# Altium PCB OMD_60V_REF_2.PcbDoc (part 1 of 6) (continued)
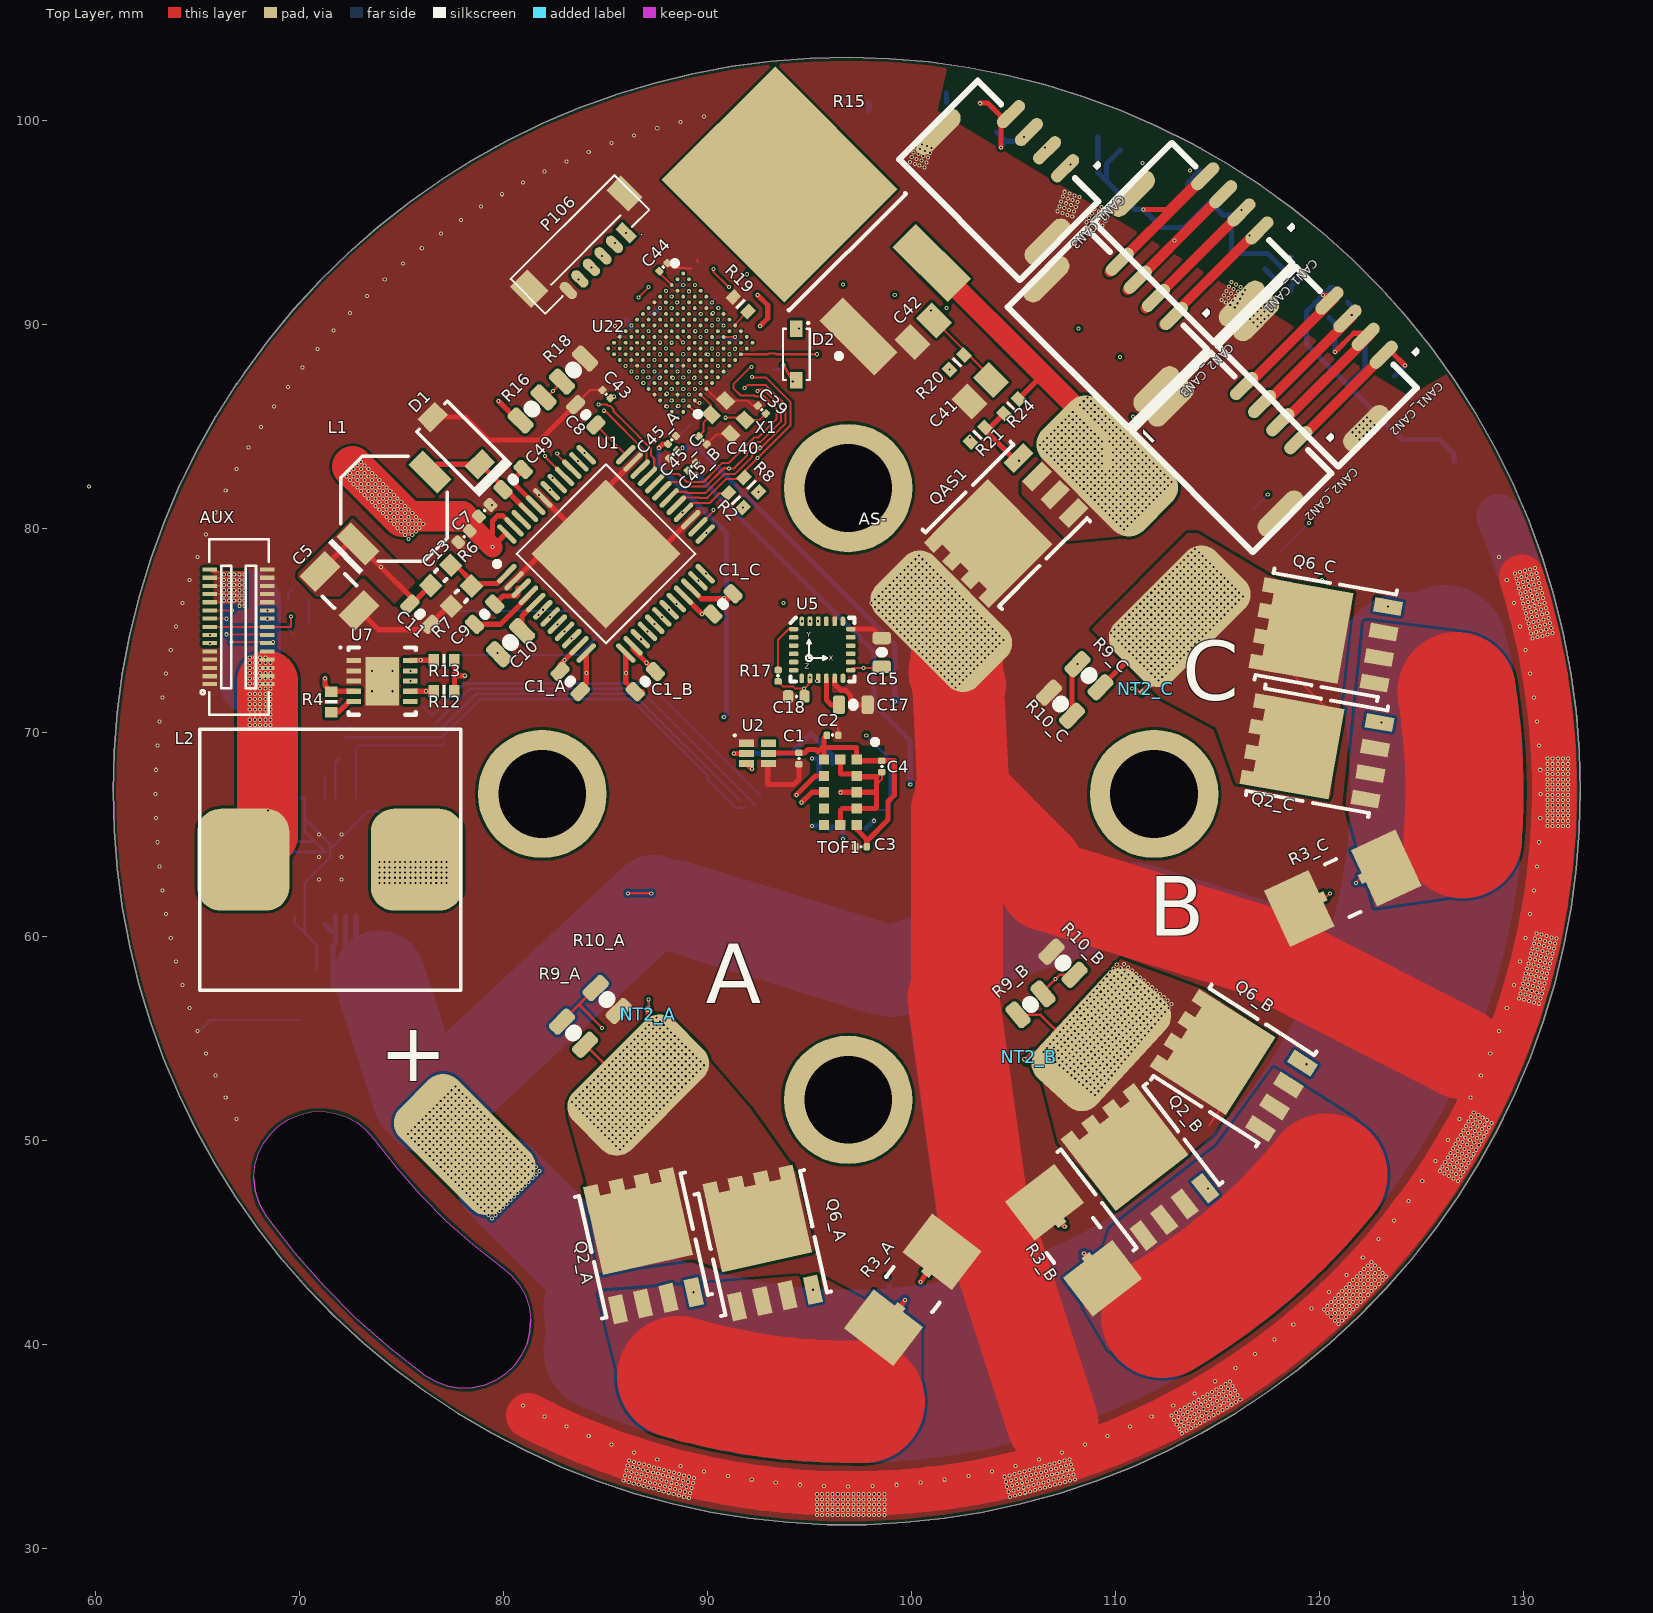
[diagram p0: Top Layer view]
## Design rules (kind name [scope] priority, off if disabled: settings)
Clearance Clearance_1 [InNamedPolygon('VDD_3V3_L01_P002')or InNamedPolygon('GND_L01_P000')] p1: gap=0.08 ignorepadtopadclearanceinfootprint=FALSE
Clearance Clearance_F7 [InComponent('F7')] p2: gap=0.1 ignorepadtopadclearanceinfootprint=TRUE
Clearance [All] p3: gap=0.127 ignorepadtopadclearanceinfootprint=FALSE
ComponentClearance ComponentClearance_connector_3.5 [HasFootprint('OSCILLATOR-1.6x1.2')] p1: gap=-5 collisioncheckmode=3 verticalgap=-5 showdistances=FALSE
ComponentClearance ComponentClearance_JST_GH_V4 [HasFootprint('JST_GH_V4')] p2: gap=-5 collisioncheckmode=3 verticalgap=-5 showdistances=FALSE
ComponentClearance [All] p3: gap=0.127 collisioncheckmode=3 verticalgap=0.254 showdistances=FALSE
HoleSize [All] p1: absolutevalues=TRUE maxlimit=6 minlimit=0.025 maxpercent=80.000 minpercent=20.000
HoleToHoleClearance [All] p1: gap=0.1 allowstackedmicrovias=TRUE
MinimumSolderMaskSliver [All] p1 off: minsoldermaskwidth=0.254
NetAntennae Via [IsVia] p1 off: netantennaetolerance=2
NetAntennae [All] p2 off: netantennaetolerance=2
PolygonConnect PolygonConnect_F7 [HasFootprint('WLCSP180')] p1: connectstyle=Relief reliefconductorwidth=0.08 reliefentries=4 polygonreliefangle="45 Angle" airgapwidth=0.08
PolygonConnect [All] p2: connectstyle=Direct reliefconductorwidth=0.254 reliefentries=4 polygonreliefangle="90 Angle" airgapwidth=0.254
RoomDefinition CAN3 [InComponentClass('CAN3')] p1 off: confinementstyle=ConfineIn formatcopy=TRUE lockcomponents=FALSE outline 106.045,88.9 97.223,91.264 98.985,97.841 107.807,95.477
RoomDefinition CAN2 [InComponentClass('CAN2')] p2 off: confinementstyle=ConfineIn formatcopy=TRUE lockcomponents=FALSE outline 118.53,76.431 113.964,84.341 119.86,87.746 124.427,79.836
RoomDefinition CAN1 [InComponentClass('CAN1')] p3 off: confinementstyle=ConfineIn formatcopy=TRUE lockcomponents=FALSE outline 113.902,84.266 105.992,88.833 109.397,94.729 117.307,90.163
RoutingVias uVia [All] p1: holewidth=0.1 width=0.2 viastyle="Through Hole" minholewidth=0.1 minwidth=0.2 maxholewidth=0.1 maxwidth=0.2
ShortCircuit shunt [HasFootprint('4RESC5125X09N')] p1: allowed=TRUE
ShortCircuit [All] p2: allowed=FALSE
SilkToSilkClearance [All] p1 off: silktosilkclearance=0.254
SilkToSolderMaskClearance [IsPad] p1 off: minsilkscreentomaskgap=0.254 clearancetoexposedcopper=TRUE
SolderMaskExpansion [All] p1: expansion=0.102
Width Width_Q2_C_S [InNet('NetQ2_C_S')] p1: maxlimit=8 minlimit=0.1 preferedwidth=0.254
Width Width_Q2_A_S [InNet('NetQ2_A_S')] p2: maxlimit=8 minlimit=0.1 preferedwidth=0.254
Width Width_Q2_B_S [InNet('NetQ2_B_S')] p3: maxlimit=8 minlimit=0.1 preferedwidth=0.254
Width Width_BATT [InNet('MCU_BATT_IN')] p4: maxlimit=8 minlimit=0.1 preferedwidth=0.254
Width Width_GND [InNet('GND')] p5: maxlimit=8 minlimit=0.1 preferedwidth=0.254
Width Width_5V_MCU [InNet('5V_MCU')] p6: maxlimit=8 minlimit=0.1 preferedwidth=0.254
Width [All] p7: maxlimit=3 minlimit=0.1 preferedwidth=0.127
22 further rules are at their usual default settings.

## Classes and differential pairs
component class AUX: AUX
component class TOF: C1 C2 C49 C51 TOF1 U2
component class 5V_REG: 5V_BUCK C2 C16 C46 C47 C48 C51 C53 L2 R22 R23
channel class OMD_CAN_VERT: CAN1 CAN2 CAN3
component class IMU: C15 C17 C18 R17 U5
component class F7_MCU: C14 C19 C26 C27 C28 C32 C33 C34 C35 C36 C37 C38 C39 C40 C41 C42 C43 C44 D2 Filter P106 R4 R5 R11 R12 R13 R16 R18 R19 R20 U7 U22 X1
component class ENC: U4
component class DRIVER_60V: C1 C5 C6 C7 C8 C9 C10 C11 C12 C13 C20 C21 C22 C23 C24 C25 C29 C30 C31 D1 L1 R2 R6 R7 R8 U1
component class C: C1_C C45_C NT2_C Q1_C Q2_C Q5_C Q6_C R3_C R9_C R10_C
component class B: C1_B C45_B NT2_B Q1_B Q2_B Q5_B Q6_B R3_B R9_B R10_B
component class A: C1_A C45_A NT2_A Q1_A Q2_A Q5_A Q6_A R3_A R9_A R10_A
component class OMD_F7_CAN_60V_layout: + - A AS- B C NT1 QAS1 QAS2 R15 R21 R24
component class CAN3: CAN1_CAN3 R1_CAN3 R2_CAN3 U1_CAN3
component class CAN2: CAN1_CAN2 CAN2_CAN2 R1_CAN2 R2_CAN2 U1_CAN2
component class CAN1: CAN1_CAN1 R1_CAN1 R2_CAN1 U1_CAN1
channel class OMD_Fets_80A: A B C

## Components (designator, comment, footprint, x,y, rotation, side; value= is the part's Value field where it differs from the comment)
5V_BUCK "LTC7103" LTC7103 71.514,63.877 r0 bottom
+ "BATT" MOTOR_PLUG_F_3.5 78.105,49.784 r225 top
- "GND" MOTOR_PLUG_F_3.5 109.601,83.058 r45 top
A "Motor_pad" MOTOR_PLUG_F_3.5 86.614,52.705 r135 top
AS- "GND" MOTOR_PLUG_F_3.5 101.473,75.438 r45 top
AUX "DF40C-30-DS" DF-40C-30DS 67.056,74.168 r270 top
B "Motor_pad" MOTOR_PLUG_F_3.5 109.312,54.934 r317.5 top
C "Motor_pad" MOTOR_PLUG_F_3.5 113.157,75.692 r315 top
C1 "22uF" 0201-cap 94.488,68.707 r270 top
C1_A "PartNumber" 0603-CAP 83.273,72.484 r315 top (schematic designator C1)
C1_B "PartNumber" 0603-CAP 86.956,72.484 r225 top (schematic designator C1)
C1_C "PartNumber" 0603-CAP 90.766,76.294 r45 top (schematic designator C1)
C2 "4u7" 0201-cap 96.139,69.85 r0 top
C3 "1u" 0201-cap 97.536,64.389 r180 top
C4 "0u1" 0201-cap 98.552,68.326 r270 top
C5 "PartNumber" 1206_180L 71.97,76.929 r315 top
C6 "PartNumber" 1210L 76.454,81.026 r45 bottom
C7 "0u1" 0402-CAP 79.082,80.866 r45 top
C8 "PartNumber" 0603-CAP 84.035,85.565 r135 top
C9 "PartNumber" 0603-CAP 79.082,75.786 r225 top
C10 "1u" 0805-CAP 80.352,74.389 r225 top
C11 "PartNumber" 0603-CAP 75.907,75.786 r135 top
C12 "PartNumber" 1210_270L 74.041,83.439 r45 bottom
C13 "0u1" 0402-CAP 78.066,79.596 r225 top
C14 "CAP CER 10000PF 50V X7R 0402" CAPC1005L 89.027,92.202 r225 bottom
C15 "2u2" 0603-CAP 98.552,73.914 r90 top
C16 "FOR TUNING" 0201-cap 67.691,64.389 r90 bottom
C17 "2u2" 0603-CAP 97.155,71.343 r0 top
C18 "0u1" 0402-CAP 94.361,71.755 r180 top
C19 "0u1" 0201-cap 89.86,90.749 r225 bottom
C20 "Cap" CAPC5750L 88.265,35.814 r76.03 bottom
C21 "Cap" CAPC5750L 105.537,35.814 r105.45 bottom
C22 "Cap" CAPC5750L 129.286,67.183 r180.44 bottom
C23 "Cap" CAPC5750L 128.27,58.928 r165.31 bottom
C24 "Cap" CAPC5750L 125.095,51.054 r150.3 bottom
C25 "Cap" CAPC5750L 128.143,75.565 r194.34 bottom
C26 "0u1" 0201-cap 90.734,90.353 r45 bottom
C27 "0u1" 0201-cap 90.678,87.503 r225 bottom
C28 "0u1" 0201-cap 93.052,87.978 r135 bottom
C29 "Cap" CAPC5750L 113.284,39.116 r119.54 bottom
C30 "Cap" CAPC5750L 97.028,34.671 r90.22 bottom
C31 "Cap" CAPC5750L 119.888,44.196 r135.31 bottom
C32 "0u1" 0201-cap 86.05,89.606 r225 bottom
C33 "0u1" 0201-cap 86.106,88.265 r45 bottom
C34 "0u1" 0201-cap 88.702,88.067 r45 bottom
C35 "0u1" 0201-cap 91.75,89.464 r45 bottom
C36 "0u1" 0201-cap 87.447,90.988 r135 bottom
C37 "0u1" 0201-cap 90.147,89.466 r135 bottom
C38 "0u1" 0201-cap 88.291,84.582 r180 bottom
C39 "8p" 0201-cap 92.671,85.819 r135 top
C40 "8p" 0201-cap 89.769,84.313 r135 top
C41 "GRM21BR60G107ME15L" C0805 103.378,86.741 r45 top
C42 "GRM21BR60G107ME15L" C0805 100.584,89.662 r45 top
C43 "2u2" 0201-cap 85.051,86.581 r135 top
C44 "2u2" 0201-cap 87.845,92.804 r45 top
C45_A "0u1" 0201-cap 88.265,84.328 r45 top (schematic designator C45)
C45_B "0u1" 0201-cap 89.242,83.025 r45 top (schematic designator C45)
C45_C "0u1" 0201-cap 88.316,83.622 r225 top (schematic designator C45)
C46 "Cap" CAPC5750L 72.517,55.88 r0 bottom
C47 "PartNumber" 0603-CAP 66.548,66.294 r270 bottom
C48 "0u1" 0402-CAP 71.247,59.563 r180 bottom
C49 "PartNumber" 0603-CAP 80.479,82.39 r45 top
C50 "0u1" 0402-CAP 74.93,62.484 r90 bottom
C51 "100u" 1206-CAP 67.31,79.121 r135 bottom
C53 "PartNumber" 0603-CAP 72.644,68.707 r180 bottom
CAN1_CAN1 "JST_GH_V4" JST_GH_V4 111.887,92.075 r135 top (schematic designator CAN1)
CAN1_CAN2 "JST_GH_V4" JST_GH_V4 117.983,85.979 r135 top (schematic designator CAN1)
CAN1_CAN3 "JST_GH_V4" JST_GH_V4 102.362,95.123 r135 top (schematic designator CAN1)
CAN2_CAN2 "JST_GH_V4" JST_GH_V4 113.792,81.788 r135 top (schematic designator CAN2)
CAN2_CAN3 "JST_GH_V4" JST_GH_V4 107.696,87.884 r135 top (schematic designator CAN2)
D1 "PartNumber" SOD-123FL 77.685,84.295 r135 top
D2 "Schottky barrier diode" SOD323 94.361,88.532 r270 top
Filter "Filter" NFM18CC 87.687,86.27 r315 bottom
L1 "PartNumber" SD53 74.637,80.993 r45 top
L2 "732-3880-2-ND" WE_IND 71.501,63.754 r180 top
NT1 "Net-Tie" Net-Tie_10mil 98.933,42.799 r273.35 bottom net-tie
NT2_A "Net-Tie" Net-Tie_10mil 87.106,56.164 r270.23 top net-tie (schematic designator NT2)
NT2_B "Net-Tie" Net-Tie_10mil 105.783,54.088 r45 top net-tie (schematic designator NT2)
NT2_C "Net-Tie" Net-Tie_10mil 111.506,72.136 r40 top net-tie (schematic designator NT2)
P106 "JST_SUR_6" JST_SUR_H6 83.185,94.488 r225 top
Q1_A "MOSFET-N" Q5B 94.107,43.434 r287.5 bottom (schematic designator Q1)
Q1_B "MOSFET-N" Q5B 115.824,53.848 r329.6 bottom (schematic designator Q1)
Q1_C "MOSFET-N" Q5B 121.158,66.929 r319.81 bottom (schematic designator Q1)
Q2_A "MOSFET-N" Q5B 86.868,44.831 r102.6 top (schematic designator Q2)
Q2_B "MOSFET-N" Q5B 111.213,48.68 r127.5 top (schematic designator Q2)
Q2_C "MOSFET-N" Q5B 119.888,69.088 r169.83 top (schematic designator Q2)
Q5_A "MOSFET-N" Q5B 86.931,44.064 r242.5 bottom (schematic designator Q5)
Q5_B "MOSFET-N" Q5B 111.143,48.72 r307.1 bottom (schematic designator Q5)
Q5_C "MOSFET-N" Q5B 121.92,74.041 r15.09 bottom (schematic designator Q5)
Q6_A "MOSFET-N" Q5B 92.71,44.958 r102.5 top (schematic designator Q6)
Q6_B "MOSFET-N" Q5B 115.814,53.658 r147.5 top (schematic designator Q6)
Q6_C "MOSFET-N" Q5B 120.32,74.771 r169.9 top (schematic designator Q6)
QAS1 "MOSFET-N" Q5B 104.648,80.137 r225 top
QAS2 "MOSFET-N" Q5B 104.526,80.024 r225 bottom
R1_CAN1 "RES SMD 120 OHM 5% 1/16W 0402" R0402 118.999,92.964 r320 bottom (schematic designator R1)
R1_CAN2 "RES SMD 120 OHM 5% 1/16W 0402" R0402 120.142,90.678 r135 bottom (schematic designator R1)
R1_CAN3 "RES SMD 120 OHM 5% 1/16W 0402" R0402 105.537,99.441 r245 bottom (schematic designator R1)
R2 "RES SMD 10K OHM 5% 1/16W 0402" 0402-RES 91.401,81.374 r135 top
R2_CAN1 "RES SMD 120 OHM 5% 1/16W 0402" R0402 118.237,91.948 r140 bottom (schematic designator R2)
R2_CAN2 "RES SMD 120 OHM 5% 1/16W 0402" R0402 121.031,91.44 r315 bottom (schematic designator R2)
R2_CAN3 "RES SMD 120 OHM 5% 1/16W 0402" R0402 104.384,99.882 r65 bottom (schematic designator R2)
R3_A "Current sense resistor" 4RESC5125X09N 100.076,42.672 r52.5 top (schematic designator R3)
R3_B "Current sense resistor" 4RESC5125X09N 107.95,45.085 r127.5 top (schematic designator R3)
R3_C "Current sense resistor" 4RESC5125X09N 121.158,62.357 r205 top (schematic designator R3)
R4 "2K" 0402-RES 71.552,71.493 r270 top
R5 "2K" 0402-RES 69.977,76.454 r180 bottom
R6 "PartNumber" 0603L 76.923,77.691 r225 top
R7 "PartNumber" 0603L 77.939,76.675 r45 top
R8 "RES SMD 10K OHM 5% 1/16W 0402" 0402-RES 92.163,82.136 r135 top
R9_A "RES" R0805 83.439,55.245 r315 top (schematic designator R9)
R9_B "RES" R0805 105.844,56.66 r220 top (schematic designator R9)
R9_C "RES" R0805 108.712,72.771 r315 top (schematic designator R9)
R10_A "RES" R0805 85.09,56.896 r315 top (schematic designator R10)
R10_B "RES" R0805 107.442,58.674 r135 top (schematic designator R10)
R10_C "RES" R0805 107.315,71.374 r135 top (schematic designator R10)
R11 "2K" 0402-RES 69.977,75.311 r180 bottom
R12 "2K" 0402-RES 77.089,72.009 r0 top
R13 "2K" 0402-RES 77.089,73.533 r0 top
R15 "PWR163" PWR163 95.422,94.987 r135 top
R16 "RES" R0805 81.407,85.852 r225.22 top
R17 "3R" 0201-RES 93.472,72.771 r90 top
R18 "RES" R0805 83.439,87.757 r45.3 top
R19 "10K" 0402-RES 91.625,90.992 r315 top
R20 "1K" 0402-RES 102.235,88.138 r225 top
R21 "120R" 0402-RES 103.251,84.582 r45 top
R22 "0R" 0201-RES 67.945,65.532 r0 bottom
R23 "0R" 0201-RES 69.474,67.996 r0 bottom
R24 "10K" 0402-RES 104.902,85.979 r45 top
TOF1 "VL53L0X" VL53L0X 96.52,67.056 r90 top
U1 "DRV8323R" PQFP-G48 85.03,78.745 r45 top
U1_CAN1 "TJA1052i" TJA1052i 110.617,92.837 r60 bottom (schematic designator U1)
U1_CAN2 "TJA1052i" TJA1052i 120.904,83.185 r35 bottom (schematic designator U1)
U1_CAN3 "TJA1052i" TJA1052i 97.282,96.139 r90 bottom (schematic designator U1)
U2 "NCV8154" NCV8154 92.456,68.961 r0 top
U4 "MA700" QFN16 96.901,66.929 r180 bottom
U5 "ICM20649" ICM20649 95.631,74.041 r0 top
U7 "LTC4316" LTC4316 74.053,72.509 r0 top
U22 "STM32F769AI" WLCSP180 88.677,88.957 r315 top
X1 "Crystal Oscillator in SMD 1.6 x 1.2" OSCILLATOR-1.6x1.2 91.02,85.438 r315 top

## Footprints (in the part's own frame and the unit in brackets; to place one, negate y for a bottom-side part, rotate by r counter-clockwise, add the part's x,y. Pads: shape width x height; smd on the part's side, far side on the other; paste and mask are expansions set on the pad)
4RESC5125X09N [mm] "Chip Resistor, 2-Leads + Kelvin terminals, Body 5.1x2.5mm, IPC Medium Density"
  rect 2.4x3.05 smd: 1(-2.35,0) 2(2.35,0)
  rect 0.5x0.5 smd: S1(-1.175,-0.025) S2(1.175,-0.025)
  silkscreen extent -0.3,-1.43 0.3,1.43, body extent -2.67,-1.4 2.67,1.4, height 0.89
0201-cap [mm]
  rrect50% 0.32x0.36 smd mask+0: 1(-0.28,0) 2(0.28,0)
  silkscreen extent 0,-0.01 0,0.03, body extent -0.3,-0.15 0.3,0.15, height 0.3
0201-RES [mm]
  rrect50% 0.32x0.36 smd mask+0: 1(-0.28,0) 2(0.28,0)
  silkscreen extent 0,-0.01 0,0.03, body extent -0.3,-0.15 0.3,0.15, height 0.12
0402-CAP [mil]
  rrect50% 20x24 smd mask+0: P$1(-15.75,0) P$2(15.75,0)
  silkscreen extent 0,0 0,1, body extent -20,-10 20,10, height 20
0402-RES [mil] "0402-RES"
  rect 20x24 smd: 1(-19.69,0) 2(20,0)
  silkscreen extent -3,-12 3,12, body extent -20,-10 20,10, height 20
0603-CAP [mil] "0603-CAP"
  rrect50% 24x36 smd mask+0: 1(-27.56,0) 2(27.56,0)
  silkscreen extent 0,-2 0,2, body extent -31,-16 31,16, height 34
0603L [mm] "0603 from SM-752 data"
  rect 0.8x0.85 smd: 1(-0.7,0) 2(0.7,0)
  silkscreen extent -0.07,-0.32 0.07,0.32, body extent -0.87,-0.47 0.87,0.47, height 1
0805-CAP [mil]
  rrect50% 28x52 smd mask+0: 1(-31.5,0) 2(31.5,0)
  silkscreen extent 0,-2 0,2, body extent -39,-25 39,25, height 31
1206-CAP [mil] "1206-CAP"
  rect 36x63 smd: 1(-57.09,0) 2(58,0)
  silkscreen extent 0,0 0,1
1206_180L [mm] "1206_180"
  rect 1.1x1.75 smd: 1(-1.35,0) 2(1.35,0)
  silkscreen extent -0.4,-0.77 0.4,0.77, body extent -1.75,-0.95 1.75,0.95, height 1.8
1210_270L [mm] "1210"
  rect 1.1x2.6 smd: 1(-1.35,0) 2(1.35,0)
  silkscreen extent -0.4,-1.2 0.4,1.2, body extent -1.7,-1.35 1.7,1.35, height 2.7
1210L [mm] "1210 from SM-752 data"
  rect 1.1x2.6 smd: 1(-1.35,0) 2(1.35,0)
  silkscreen extent -0.4,-1.2 0.4,1.2, body extent -1.7,-1.35 1.7,1.35, height 1.35
C0805 [mm] "Chip Capacitor, Body 2.0x1.3mm, IPC High Density"
  rect 1.1x1.4 smd: 1(-0.75,0) 2(0.75,0)
  body extent -1.1,-0.73 1.1,0.72, height 1.4
CAPC1005L [mm] "Chip Capacitor, Body 1.0x0.5mm, IPC High Density"
  rect 0.6x0.5 smd: 1(-0.5,0) 2(0.5,0)
  body extent -0.55,-0.3 0.55,0.3, height 0.6
CAPC5750L [mm] "Chip Capacitor, Body 5.7x5.0mm, IPC High Density"
  rect 1.4x5.2 smd: 1(-2.5,0) 2(2.5,0)
  silkscreen extent -1.4,-2.5 1.4,2.5, body extent -2.95,-2.62 2.95,2.63, height 1.35
DF-40C-30DS [mil] "DF-40C-30DS"
  rect 8x28 smd: 1(71,-57.09) 2(71,54) 3(56,-57.09) 4(56,54) 5(40,-57.09) 6(40,54) 7(24,-57.09) 8(24,54) 9(8,-57.09) 10(8,54) 11(-7.87,-57.09) 12(-7.87,54) 13(-23.62,-57.09) 14(-23.62,54) 15(-39.37,-57.09) 16(-39.37,54) 17(-55.12,-57.09) 18(-55.12,54) 19(-70.87,-57.09) 20(-70.87,54) 21(-86.74,-57.09) 22(-86.74,54) 23(-102.49,-57.09) 24(-102.49,54) 25(-118.24,-57.09) 26(-118.24,54) 27(-133.98,-57.09) 28(-133.98,54) 29(-149.73,-57.09) 30(-149.73,54)
  silkscreen extent -209,-75 130,57, body extent -209,-68 129,65, height 77
ICM20649 [mm] "ICM20649"
  rrect70% 0.457x0.229 smd mask+0.05: 1(-1.4,1.016) 6(-1.4,-1) 13(1.4,-1) 18(1.4,1.016)
  rrect50% 0.457x0.229 smd mask+0.05: 2(-1.4,0.61) 3(-1.4,0.203) 4(-1.4,-0.2) 5(-1.4,-0.6) 14(1.4,-0.6) 15(1.4,-0.2) 16(1.4,0.203) 17(1.4,0.61)
  rrect70% 0.229x0.457 smd mask+0.05: 7(-1,-1.4) 12(1.016,-1.4) 24(-1,1.4)
  rrect50% 0.229x0.457 smd mask+0.05: 8(-0.6,-1.4) 9(-0.2,-1.4) 10(0.203,-1.4) 11(0.61,-1.4) 20(0.61,1.4) 21(0.203,1.4) 22(-0.2,1.4) 23(-0.6,1.4)
  rrect90% 0.229x0.457 smd mask+0.05: 19(1.016,1.4)
  silkscreen extent -1.55,-1.55 1.57,1.57
JST_GH_V4 [mil]
  rrect100% 24x67 smd: 1(-73.82,-214.57) 2(-24.61,-214.57) 3(25,-214.57) 4(74,-214.57)
  rrect100% 40x111 smd: GND(-150.59,-90.55) GND(151,-90.55)
  silkscreen extent -164,-215 165,0, body extent -162,-235 163,-40, height 165
JST_SUR_H6 [mm]
  rect 0.5x1 smd: 1(-2,2)
  rrect100% 0.5x1 smd: 2(-1.2,2) 3(-0.4,2) 4(0.4,2) 5(1.2,2) 6(2,2)
  rect 1x1.5 smd: GND(-3.3,0.585)
  rect 1.2x1.5 smd: GND(3.3,0.585)
  silkscreen extent -3.6,-0.4 3.6,2, body extent -3.5,-0.4 3.5,2.3, height 1.7
LTC4316 [mm]
  rect 0.7x0.25 smd: 1(-1.385,1) 2(-1.385,0.5) 3(-1.385,0) 4(-1.385,-0.5) 5(-1.385,-1) 6(1.385,-1) 7(1.385,-0.5) 8(1.385,0) 9(1.385,0.5) 10(1.385,1)
  rect 1.65x2.38 smd: 11(0,0)
  silkscreen extent -2.1,-1.65 1.65,1.7, body extent -1.55,-1.5 1.55,1.5, height 0.75
LTC7103 [mm]
  oval 0.7x0.25 smd: 3(-2.4,1.25) 6(-2.4,-0.25) 7(-2.4,-0.75) 8(-2.4,-1.25) 9(-2.4,-1.75) 10(-2.4,-2.25) 19(2.4,-2.25) 20(2.4,-1.75) 21(2.4,-1.25) 24(2.4,0.25) 25(2.4,0.75) 26(2.4,1.25) 27(2.4,1.75)
  oval 0.25x0.7 smd: 11(-1.75,-2.9) 12(-1.25,-2.9) 13(-0.75,-2.9) 14(-0.25,-2.9) 15(0.25,-2.9) 16(0.75,-2.9) 17(1.25,-2.9) 18(1.75,-2.9) 30(1.25,2.9) 31(0.75,2.9) 32(0.25,2.9) 35(-1.25,2.9) 36(-1.75,2.9)
  rect 2.6x3.6 smd: 37(0,0)
  silkscreen extent -3.42,-3.15 2.65,3.15, body extent -2.55,-3.05 2.55,3.05, height 0.75
MOTOR_PLUG_F_3.5 [mm]
  rrect50% 4x7 smd: 1(0,0)
  rrect50% 4x7 smd far side: 1(0,0)
  rrect50% 4x7 on Mid2: 1(0,0)
  rrect50% 4x7 on Mid1: 1(0,0)
NCV8154 [mm] "ldo 1.8v 2.8v"
  rect 0.73x0.35 smd: 1(-0.535,0.5) 2(-0.535,0) 3(-0.535,-0.5) 4(0.535,-0.5) 5(0.535,0) 6(0.535,0.5)
  silkscreen extent -1.16,0.84 -1.06,0.94
Net-Tie_10mil [mil] "10mil net tie, no solder mask opening, no solder paste"
  rect 10x10 smd paste-5 mask-5: 1(-10,0) 2(10,0)
  Top Layer region: -6,5 6,5 6,-5 -6,-5
NFM18CC [mm] "Chip Capacitor, 3-Leads, Body 1.6x0.8mm"
  rect 0.55x0.6 smd: 1(-0.825,0) 3(0.825,0)
  rect 0.4x0.4 smd: 2(0,-0.4) 2(0,0.4)
  body extent -0.85,-0.45 0.85,0.45, height 0.7
OSCILLATOR-1.6x1.2 [mm] "OSCILLATOR-1.6x1.2"
  rect 0.75x0.6 smd: 1(-0.675,-0.5) 2(0.675,-0.5) 3(0.675,0.5) 4(-0.675,0.5)
  silkscreen extent -1.27,-1.04 -1.06,-0.84
PQFP-G48 [mm] "TSQFP, 48-Leads, Body 7.00x7.00mm, Pitch 0.50mm, Thermal Pad 5.17x5.17mm, IPC High Density"
  oval 1.25x0.25 smd: 1(-4.125,2.75) 2(-4.125,2.25) 3(-4.125,1.75) 4(-4.125,1.25) 5(-4.125,0.75) 6(-4.125,0.25) 7(-4.125,-0.25) 8(-4.125,-0.75) 9(-4.125,-1.25) 10(-4.125,-1.75) 11(-4.125,-2.25) 12(-4.125,-2.75) 25(4.125,-2.75) 26(4.125,-2.25) 27(4.125,-1.75) 28(4.125,-1.25) 29(4.125,-0.75) 30(4.125,-0.25) 31(4.125,0.25) 32(4.125,0.75) 33(4.125,1.25) 34(4.125,1.75) 35(4.125,2.25) 36(4.125,2.75)
  oval 0.25x1.25 smd: 13(-2.75,-4.125) 14(-2.25,-4.125) 15(-1.75,-4.125) 16(-1.25,-4.125) 17(-0.75,-4.125) 18(-0.25,-4.125) 19(0.25,-4.125) 20(0.75,-4.125) 21(1.25,-4.125) 22(1.75,-4.125) 23(2.25,-4.125) 24(2.75,-4.125) 37(2.75,4.125) 38(2.25,4.125) 39(1.75,4.125) 40(1.25,4.125) 41(0.75,4.125) 42(0.25,4.125) 43(-0.25,4.125) 44(-0.75,4.125) 45(-1.25,4.125) 46(-1.75,4.125) 47(-2.25,4.125) 48(-2.75,4.125)
  rect 5.17x5.17 smd: 49(0,0)
  silkscreen extent -4.25,-3.1 3.1,3.55, body extent -3.5,-3.5 3.5,3.5, height 1.05
PWR163 [mm] "TO, 3-Pads, Body 6.72x7.43mm (max), IPC Medium Density"
  rect 3.81x1.62 smd: 1(-5.35,2.54) 3(-5.35,-2.54)
  rect 8.51x7.87 smd: 4(2.65,0)
  silkscreen extent -5.47,-4.05 -2.01,4.05, body extent -5.94,-4.01 6.35,4.14, height 2.79
Q5B [mm] "TI Q5B, 8-Leads, Body 5.1x6.1mm (max), Pitch 1.27mm, IPC Medium Density"
  rect 3.85x4.52 smd: D(0.95,0)
  rect 1.37x0.71 smd: D(2.77,-1.905) D(2.77,0.635) D(2.77,1.905) D(2.77,-0.635) G(-2.77,-1.905) S(-2.77,0.635) S(-2.77,-0.635) S(-2.77,1.905)
  silkscreen extent -3.05,-2.76 3.05,2.76, body extent -3.05,-2.55 3.05,2.55, height 1.05
QFN16 [mm]
  oval 0.6x0.25 smd: 1(-1.55,0.75) 2(-1.55,0.25) 3(-1.55,-0.25) 4(-1.55,-0.75) 9(1.55,-0.75) 10(1.55,-0.25) 11(1.55,0.25) 12(1.55,0.75)
  oval 0.25x0.6 smd: 5(-0.75,-1.55) 6(-0.25,-1.55) 7(0.25,-1.55) 8(0.75,-1.55) 13(0.75,1.55) 14(0.25,1.55) 15(-0.25,1.55) 16(-0.75,1.55)
  rect 0x0 smd: 17(0,0)
  silkscreen extent -2.42,-1.65 1.65,1.65, body extent -1.5,-1.5 1.5,1.5, height 0.9
R0402 [mil]
  rect 20x24 smd: 1(-19.68,0) 2(20,0)
  silkscreen extent -3,-12 3,12, body extent -20,-10 20,10, height 12
R0805 [mil]
  rrect50% 28x52 smd mask+0: 1(-31.5,0) 2(31.5,0)
  silkscreen extent 0,-2 0,2, body extent -39,-25 39,24, height 20
SD53 [mm] "COOPER BUSSMAN"
  rect 1x2 smd: 1(-2.5,0) 2(2.5,0)
  silkscreen extent -3.5,-2.9 2.4,2.9, body extent -2.86,-2.86 2.86,2.86, height 3.01
SOD323 [mil] "SOD323"
  rect 32x24 smd: A(50,0) C(-49.21,0)
  silkscreen extent -62,-26 50,26, body extent -49,-24 49,25, height 35
SOD-123FL [mm] "Copied from SOD-123"
  rect 0.915x1.22 smd: 1(-1.637,0) 2(1.638,0)
  silkscreen extent -2.74,-1.16 1.68,1.16, body extent -1.9,-0.9 1.9,0.9, height 1
TJA1052i [mm] "SOP, 16-Leads, Body 10.30x7.50mm, Pitch 1.27mm, IPC Medium Density"
  oval 1.9x0.6 smd: 1(-4.75,4.445) 2(-4.75,3.175) 3(-4.75,1.905) 4(-4.75,0.635) 5(-4.75,-0.635) 6(-4.75,-1.905) 7(-4.75,-3.175) 8(-4.75,-4.445) 9(4.75,-4.445) 10(4.75,-3.175) 11(4.75,-1.905) 12(4.75,-0.635) 13(4.75,0.635) 14(4.75,1.905) 15(4.75,3.175) 16(4.75,4.445)
  silkscreen extent -4.87,-5.25 3.4,5.42, body extent -5.16,-5.25 5.16,5.25, height 2.65
VL53L0X [mm] "LIDAR"
  rect 0.5x0.5 smd: 1(1.6,-0.8) 2(0.8,-0.8) 3(0,-0.8) 4(-0.8,-0.8) 5(-1.6,-0.8) 6(-1.6,0) 7(-1.6,0.8) 8(-0.8,0.8) 9(0,0.8) 10(0.8,0.8) 11(1.6,0.8) 12(1.6,0)
  silkscreen extent 2.34,-1.83 2.59,-1.58, body extent -2.2,-1.2 2.2,1.2, height 1
WE_IND [mm] "FIXED IND 18UH 7.5A 22 MOHM SMD"
  rrect50% 4.5x5 smd: 1(-4.25,0) 2(4.25,0)
  silkscreen extent -6.4,-6.4 6.4,6.4, body extent -6.41,-6.41 6.41,6.41, height 6.2
WLCSP180 [mil] "WLCSP, 180-Leads, Body 5.54x6.09mmx0.58mm, Pitch 0.40mm"
  round 7.5 smd mask+1.57: A1(-94.49,102.36) A2(-78.74,102.36) A3(-62.99,102.36) A4(-47.24,102.36) A5(-31.5,102.36) A6(-15.75,102.36) A7(0,102.36) A8(15.75,102.36) A9(31.5,102.36) A10(47.24,102.36) A11(62.99,102.36) A12(78.74,102.36) A13(94.49,102.36) B1(-94.49,86.61) B2(-78.74,86.61) B3(-62.99,86.61) B4(-47.24,86.61) B5(-31.5,86.61) B6(-15.75,86.61) B7(0,86.61) B8(15.75,86.61) B9(31.5,86.61) B10(47.24,86.61) B11(62.99,86.61) B12(78.74,86.61) B13(94.49,86.61) C1(-94.49,70.87) C2(-78.74,70.87) C3(-62.99,70.87) C4(-47.24,70.87) C5(-31.5,70.87) C6(-15.75,70.87) C7(0,70.87) C8(15.75,70.87) C9(31.5,70.87) C10(47.24,70.87) C11(62.99,70.87) C12(78.74,70.87) C13(94.49,70.87) D1(-94.49,55.12) D2(-78.74,55.12) D3(-62.99,55.12) D4(-47.24,55.12) D5(-31.5,55.12) D6(-15.75,55.12) D7(0,55.12) D8(15.75,55.12) D9(31.5,55.12) D10(47.24,55.12) D11(62.99,55.12) D12(78.74,55.12) D13(94.49,55.12) E1(-94.49,39.37) E2(-78.74,39.37) E3(-62.99,39.37) E4(-47.24,39.37) E5(-31.5,39.37) E6(-15.75,39.37) E7(0,39.37) E8(15.75,39.37) E9(31.5,39.37) E10(47.24,39.37) E11(62.99,39.37) E12(78.74,39.37) E13(94.49,39.37) F1(-94.49,23.62) F2(-78.74,23.62) F3(-62.99,23.62) F4(-47.24,23.62) F5(-31.5,23.62) F6(-15.75,23.62) F7(0,23.62) F8(15.75,23.62) F9(31.5,23.62) F10(47.24,23.62) F11(62.99,23.62) F12(78.74,23.62) F13(94.49,23.62) G1(-94.49,7.87) G2(-78.74,7.87) G3(-62.99,7.87) G4(-47.24,7.87) G5(-31.5,7.87) G6(-15.75,7.87) G8(15.75,7.87) G9(31.5,7.87) G10(47.24,7.87) G11(62.99,7.87) G12(78.74,7.87) G13(94.49,7.87) H1(-94.49,-7.87) H2(-78.74,-7.87) H3(-62.99,-7.87) H4(-47.24,-7.87) H5(-31.5,-7.87) H6(-15.75,-7.87) H8(15.75,-7.87) H9(31.5,-7.87) H10(47.24,-7.87) H11(62.99,-7.87) H12(78.74,-7.87) H13(94.49,-7.87) J1(-94.49,-23.62) J2(-78.74,-23.62) J3(-62.99,-23.62) J4(-47.24,-23.62) J5(-31.5,-23.62) J6(-15.75,-23.62) J7(0,-23.62) J8(15.75,-23.62) J9(31.5,-23.62) J10(47.24,-23.62) J11(62.99,-23.62) J12(78.74,-23.62) J13(94.49,-23.62) K1(-94.49,-39.37) K2(-78.74,-39.37) K3(-62.99,-39.37) K4(-47.24,-39.37) K5(-31.5,-39.37) K6(-15.75,-39.37) K7(0,-39.37) K8(15.75,-39.37) K9(31.5,-39.37) K10(47.24,-39.37) K11(62.99,-39.37) K12(78.74,-39.37) K13(94.49,-39.37) L1(-94.49,-55.12) L2(-78.74,-55.12) L3(-62.99,-55.12) L4(-47.24,-55.12) L5(-31.5,-55.12) L6(-15.75,-55.12) L7(0,-55.12) L8(15.75,-55.12) L9(31.5,-55.12) L10(47.24,-55.12) L11(62.99,-55.12) L12(78.74,-55.12) L13(94.49,-55.12) M1(-94.49,-70.87) M2(-78.74,-70.87) M3(-62.99,-70.87) M4(-47.24,-70.87) M5(-31.5,-70.87) M6(-15.75,-70.87) M7(0,-70.87) M8(15.75,-70.87) M9(31.5,-70.87) M10(47.24,-70.87) M11(62.99,-70.87) M12(78.74,-70.87) M13(94.49,-70.87) N1(-94.49,-86.61) N2(-78.74,-86.61) N3(-62.99,-86.61) N4(-47.24,-86.61) N5(-31.5,-86.61) N6(-15.75,-86.61) N7(0,-86.61) N8(15.75,-86.61) N9(31.5,-86.61) N10(47.24,-86.61) N11(62.99,-86.61) N12(78.74,-86.61) N13(94.49,-86.61) P1(-94.49,-102.36) P2(-78.74,-102.36) P3(-62.99,-102.36) P4(-47.24,-102.36) P5(-31.5,-102.36) P6(-15.75,-102.36) P7(0,-102.36) P8(15.75,-102.36) P9(31.5,-102.36) P10(47.24,-102.36) P11(62.99,-102.36) P12(78.74,-102.36) P13(94.49,-102.36)
  silkscreen extent -125,100 -115,110, body extent -110,-120 110,120, height 31

## Part data
+ - A AS- B C: library part Socket, "Socket"
AUX: "CONN RCPT 30POS 0.4MM SMD GOLD"
C1: library part CAP0805, "CAP CER 22UF 6.3V X5R 0402"
C1_A C1_B C1_C: library part GRM188R71C102KA01D, "CAP, CERM, 1000pF, 16V, +/-10%, X7R, 0603"
C2: library part CAP0603, "CAP CER 4.7UF 6.3V X5R 0201"
C3: library part CAP0603, "CAP CER 1UF 6.3V X5R 0201"
C4 C7 C13 C18 C48 C50: library part CAP0402, "CAP CER 0.1UF 16V Y5V 0402"
C5: library part C3216X7S1A226M160AC, "CAP, CERM, 22 µF, 10 V, +/- 20%, X7S, 1206"
C6: library part HMK325B7225KN-T, "CAP, CERM, 2.2 µF, 100 V, +/- 10%, X7R, 1210"
C8 C11 C47 C53: library part GRM188R70J105KA01D, "CAP, CERM, 1 µF, 6.3 V, +/- 10%, X7R, 0603"
C9: library part C1608X7S2A473K080AB, "CAP, CERM, 0.047 µF, 100 V, +/- 10%, X7S, 0603"
C10: library part CAP0603, "CAP CER 1UF 16V Y5V 0603"
C12: library part GRM32ER71K475KE14L, "CAP, CERM, 4.7 µF, 80 V, +/- 10%, X7R, 1210"
C14: library part Cap
C15 C17: library part CAP0603, "CAP CER 2.2UF 16V 10% X6S 0603"
C16: library part GRM188R70J105KA01D
C19 C26 C27 C28 C32 C33 C34 C35 C36 C37 C38 C45_A C45_B C45_C: library part CAP0402, "CAP CER 0.1UF 6V Y5V 0201"
C20 C21 C22 C23 C24 C25 C29 C30 C31 C46: "Capacitor"
C39 C40: library part CAP0402, "CAP CER 8PF 50V NP0 0201"
C41 C42: library part Capacitor
C43 C44: library part CAP0402, "CAP CER 2u2uF 6V Y5V 0201"
C49: library part 0603YC104JAT2A, "CAP, CERM, 0.1 µF, 16 V, +/- 5%, X7R, 0603"
C51: library part CAPACITOR-1206
CAN1_CAN1 CAN1_CAN2 CAN1_CAN3 CAN2_CAN2 CAN2_CAN3: "BM04B-GHS-TBT"
D1: library part MBR1H100SFT3G, "Diode, Schottky, 100 V, 1 A, SOD-123FL"
D2: library part DIODE-SCHOTTKY_SOD323, "DIODE SCHOTTKY 30V 0.03A SOD323"
Filter: library part NFM18CC222R1C3, "EMIFIL (Capacitor type) Single Circuit Type for Signal Lines"
L1: library part SD53-150-R, "Inductor, Shielded Drum Core, Ferrite, 15 µH, 1.1 A, 0.122 ohm, SMD"
L2: library part SD53-150-R, "Description FIXED IND 18UH 7.5A 22 MOHM SMD"
NT1 NT2_A NT2_B NT2_C: "Single point connection between nets."
P106: "Connector, Header, 6Pos, .8mm IDC, R/A, SMD, Tin"
Q1_A Q1_B Q1_C Q2_A Q2_B Q2_C Q5_A Q5_B Q5_C Q6_A Q6_B Q6_C QAS1 QAS2: "N-Channel MOSFET"
R1_CAN1 R1_CAN2 R1_CAN3 R2 R2_CAN1 R2_CAN2 R2_CAN3 R8: library part Resistor
R3_A R3_B R3_C: library part WSLP20101L000FEK, "2W, 0.001R 5025 current sense resistor"
R4 R5 R11 R12 R13: library part RESISTOR0402-RES, "RES 2K OHM 1/16W 1% 0402 SMD"
R6: library part CRCW060328K0FKEA, "RES, 28.0 k, 1%, 0.1 W, 0603"
R7: library part CRCW06038K45FKEA, "RES, 8.45 k, 1%, 0.1 W, 0603"
R9_A R9_B R9_C R16: library part R00155, "RES SMD 18K OHM 1% 1/8W 0805"
R10_A R10_B R10_C R18: library part R00095, "RES SMD 1K OHM 1% 1/8W 0805"
R15: library part "Resistor 25W 1R  DPAK", "The PWR163 Series is a DPAK style surface mount power resistor."
R17: library part RESISTOR0402-RES, "RES 3OHM 1/16W 1% 0201 SMD"
R19 R24: library part RESISTOR0402-RES, "RES 10K OHM 1/16W 1% 0402 SMD"
R20: library part RESISTOR0402-RES, "RES 1K OHM 1/16W 1% 0402"
R21: library part RESISTOR0402-RES, "RES 120 OHM 1/16W 1% 0402 SMD"
R22 R23: library part RESISTOR0402-RES, "RES 0OHM 1/16W 1% 0201 SMD"
U2: "IC REG LDO 1.8v and 2.8v"
U22: "STM32F7"
X1: library part OSCILLATOR-3.2X2.5, "CRYSTAL 24MHZ 8PF SMD"

## Free pads (board coordinates)
  round 6.3 hole 4.3: 1(81.903,66.974) 1(96.903,51.974) 1(96.903,81.974) 1(111.903,66.974)

## Via types
v1: diameter 0.2, hole 0.1, Top Layer to L2, tented both sides, 3354 vias
v2: diameter 0.2, hole 0.1, L2 to L3, tented both sides, 3246 vias
v3: diameter 0.2, hole 0.1, L3 to Bottom Layer, tented both sides, 3236 vias
v4: diameter 0.2, hole 0.1, L2 to L3, 40 vias
v5: diameter 0.2, hole 0.1, L3 to Bottom Layer, 8 vias
v6: diameter 0.2, hole 0.1, Top Layer to L2, 6 vias
v7: diameter 0.2, hole 0.1, Top Layer to L3, 2 vias

## Nets (pads, with @x,y where several pads share a name; then routed paths per layer and width w, separated by ;. In a path a pad name is that pad's centre, name@x,y a point inside that pad or via, vN(x,y) a via of type N, cw(c..) or ccw(c..) an arc to the next point about the centre after c; other vN are vias at no path point)
3V3_MCU: C5.1 C11.2 C14.2 C15.1 C18.P$1 C19.1 C26.1 C27.1 C28.1 C32.1 C33.1 C34.1 C35.1 C36.1 C37.1 D2.A Filter.1 L1.1 P106.1 R2.1 R6.2 R8.1 R12.2 R13.2 R17.1 U1.26 U1_CAN1.1 U1_CAN2.1 U1_CAN3.1 U2.2 U4.13 U5.8 U5.13 U22.A6 U22.B2 U22.B8 U22.B11 U22.C10 U22.F2 U22.F12 U22.J12 U22.K1 U22.K9 U22.M8 U22.P4 | length 85.5
  Top Layer w0.1: U1.26@89.538,80.071 90.297,80.83 v1(90.297,80.899) ; v3(90.798,89.381) v1(91.364,89.381) ; R17.1@93.472,72.491 93.726,72.237 94.214,72.237 94.315,72.136 v1(94.742,72.136) ; C18.P$1@94.761,71.755 94.761,72.117 v1(94.742,72.136) ; U5.8@95.031,72.641 95.031,72.425 v1(94.742,72.136) ; U5.13@97.031,73.041 97.14,73.15 v1(97.663,73.15) 98.552,73.15 C15.1@98.552,73.214
  Top Layer w0.127: v3(93.726,88.011) v1(94.186,87.207)
  Top Layer w0.254: C5.1@71.016,77.884 72.357,79.225 L1.1@72.87,79.225 v1(73.99,78.105) 75.539,76.555 75.539,76.408 75.64,76.408 R6.2@76.428,77.196 R6.2@76.555,77.323 ; R12.2@77.597,72.009 77.597,72.771 ; R13.2@77.597,73.533 77.597,72.771 ; v1(78.105,72.771) 77.597,72.771 ; v3(91.313,68.961) U2.2@91.921,68.961 ; v1(92.456,91.44) 92.964,90.932 92.964,90.297 v1(92.583,89.916)
  L2 w0.1: v1(90.515,87.967) v3(90.978,87.503) ; v1(90.515,90.23) 90.521,90.224 90.521,89.692 v2(90.551,89.662) ; v1(95.026,72.674) 95.039,72.687 95.082,72.644 95.112,72.644 95.262,72.794 95.492,72.794 95.642,72.644 97.282,72.644 97.663,73.025 v1(97.663,73.15)
  L2 w0.254: v1(86.013,94.488) 87.283,93.218 90.17,93.218 ; v1(91.755,81.02) 91.755,79.187 93.726,77.216 v3(93.726,76.327) ; 92.583,89.789 v1(92.583,89.916) ; 101.727,91.44 104.902,91.44 108.966,87.376 110.109,87.376 111.379,86.106 111.379,85.852 ; 111.443,85.852 111.379,85.852 ; 119.761,77.089 118.999,77.851 118.237,77.851 115.57,80.518 115.57,81.661 111.379,85.852
  L3 w0.1: v3(85.979,90.24) v1(86.272,89.947) ; v1(87.656,87.376) 87.656,87.656 v3(87.757,87.757) ; v3(88.392,88.011) 88.392,87.827 v1(88.535,87.684) ; v3(88.519,92.202) 88.543,92.202 v1(88.818,91.927) ; v2(90.232,91.078) 90.424,91.27 v3(90.424,91.313) ; v2(90.551,89.662) v3(90.805,89.916)
  L3 w0.127: v3(85.979,90.24) v1(85.99,87.967) ; v3(87.757,87.757) v3(88.392,88.011)
  L3 w0.254: v3(87.249,90.551) 87.442,90.551 v1(87.687,90.795) ; v3(90.798,89.381) 90.825,89.408 90.852,89.381 v1(91.364,89.381) ; v3(93.726,76.327) 93.726,73.152 v1(94.742,72.136) 94.932,71.945 v3(94.932,69.787)
  Bottom Layer w0.1: Filter.1@87.103,86.853 87.103,87.103 v3(87.757,87.757) ; v3(88.392,88.011) 88.392,87.981 C34.1@88.504,87.869 ; v3(88.519,92.202) 88.773,91.948 C14.2@88.673,91.848 ; C19.1@90.058,90.947 v3(90.424,91.313) ; C37.1@90.345,89.268 90.458,89.381 v3(90.798,89.381) 90.913,89.266 C35.1@91.552,89.266 ; C26.1@90.536,90.155 90.775,89.916 v3(90.805,89.916) ; C27.1@90.876,87.701 90.876,87.606 v3(90.978,87.503) ; C28.1@93.25,87.78 93.495,87.78 v3(93.726,88.011)
  Bottom Layer w0.127: v3(110.871,85.471) 111.062,85.471 U1_CAN1.1@112.091,86.501
  Bottom Layer w0.254: v3(85.979,90.24) 86.248,89.971 C32.1@86.248,89.804 ; v3(87.249,90.551) 87.406,90.551 C36.1@87.645,90.79 ; v3(91.313,68.961) 94.107,68.961 v3(94.932,69.787) 95.078,69.932 96.139,68.872 U4.13@96.139,68.479 ; U1_CAN3.1@101.727,91.389 U1_CAN3.1@101.727,91.44
  other v1: 91.313,68.961 93.726,76.327 120.142,77.47 92.517,81.782 110.871,85.471 89.666,87.118 93.726,88.011 101.727,90.805 90.232,91.078
  other v2: 91.313,68.961 93.726,76.327 120.142,77.47 110.871,85.471 87.656,87.376 90.978,87.503 88.535,87.684 85.99,87.967 93.726,88.011 91.364,89.381 86.272,89.947 87.687,90.795 101.727,90.805 88.818,91.927
  other v3: 120.142,77.47 85.99,87.967 101.727,90.805
  other v4: 94.742,72.136
3V3A: Filter.3 U22.M12 | length 0.9
  L3 w0.1: v3(88.646,85.979) 88.818,86.151 v1(88.818,86.27)
  Bottom Layer w0.1: Filter.3@88.27,85.686 88.563,85.979 v3(88.646,85.979)
  other v2: 88.818,86.27
5V_MCU: 5V_BUCK.10 5V_BUCK.20 AUX.2 AUX.4 AUX.6 AUX.8 AUX.10 AUX.21 AUX.23 AUX.25 AUX.27 AUX.29 C51.1 L2.2 | length 30.2
  Top Layer w0.1: AUX.21@65.606,76.371 66.846,76.371 66.936,76.461 66.936,76.708 ; AUX.23@65.606,76.771 66.873,76.771 66.936,76.708 ; AUX.25@65.606,77.171 66.891,77.171 66.936,77.216 ; AUX.27@65.606,77.571 66.835,77.571 66.936,77.47 ; AUX.29@65.606,77.971 65.726,77.851 67.31,77.851 67.31,77.844 66.936,77.47 ; L2.2@67.251,63.754 L2.2@68.428,64.931 ; 66.936,76.708 66.936,77.216 ; 66.936,77.216 66.936,77.47
  Top Layer w3: L2.2@68.428,64.931 68.428,70.612 68.428,71.12 68.428,71.374 68.428,71.882 AUX.2@68.428,72.365 68.428,72.517
  L3 w0.254: v2(68.453,66.167) 73.787,66.167 74.168,65.786 v3(74.803,65.786)
  Bottom Layer w0.254: v2(68.453,66.167) 68.493,66.127 5V_BUCK.10@69.114,66.127 ; 5V_BUCK.20@73.914,65.627 74.644,65.627 v3(74.803,65.786)
  Bottom Layer w3: v3@67.588,72.39 67.588,72.898 67.588,73.406 67.588,76.454
  other v1: 68.453,66.167 67.564,70.358 67.818,70.358 68.072,70.358 68.326,70.358 68.58,70.358 67.564,70.612 67.818,70.612 68.072,70.612 68.326,70.612 68.58,70.612 67.564,70.866 67.818,70.866 68.072,70.866 68.326,70.866 68.58,70.866 67.564,71.12 67.818,71.12 68.072,71.12 68.326,71.12 68.58,71.12 67.564,71.374 67.818,71.374 68.072,71.374 68.326,71.374 68.58,71.374 67.564,71.628 67.818,71.628 68.072,71.628 68.326,71.628 68.58,71.628 67.564,71.882 67.818,71.882 68.072,71.882 68.326,71.882 68.58,71.882 67.564,72.136 67.818,72.136 68.072,72.136 68.326,72.136 68.58,72.136 67.564,72.39 67.818,72.39 68.072,72.39 68.326,72.39 68.58,72.39 67.564,72.644 67.818,72.644 68.072,72.644 68.326,72.644 68.58,72.644 67.564,72.898 67.818,72.898 68.072,72.898 68.326,72.898 68.58,72.898 67.564,73.152 67.818,73.152 68.072,73.152 68.326,73.152 68.58,73.152 67.564,73.406 67.818,73.406 68.072,73.406 68.326,73.406 68.58,73.406 67.564,73.66 67.818,73.66 68.072,73.66 68.326,73.66 67.056,76.2 67.31,76.2 66.294,76.454 66.548,76.454 66.802,76.454 67.056,76.454 67.31,76.454 66.294,76.708 66.548,76.708 66.802,76.708 67.056,76.708 67.31,76.708 66.294,76.962 66.548,76.962 66.802,76.962 67.056,76.962 67.31,76.962 66.294,77.216 66.548,77.216 66.802,77.216 67.056,77.216 67.31,77.216 66.294,77.47 66.548,77.47 66.802,77.47 67.056,77.47 67.31,77.47 66.294,77.724 66.548,77.724 66.802,77.724 67.056,77.724 67.31,77.724
  other v2: 67.564,70.358 67.818,70.358 68.072,70.358 68.326,70.358 68.58,70.358 67.564,70.612 67.818,70.612 68.072,70.612 68.326,70.612 68.58,70.612 67.564,70.866 67.818,70.866 68.072,70.866 68.326,70.866 68.58,70.866 67.564,71.12 67.818,71.12 68.072,71.12 68.326,71.12 68.58,71.12 67.564,71.374 67.818,71.374 68.072,71.374 68.326,71.374 68.58,71.374 67.564,71.628 67.818,71.628 68.072,71.628 68.326,71.628 68.58,71.628 67.564,71.882 67.818,71.882 68.072,71.882 68.326,71.882 68.58,71.882 67.564,72.136 67.818,72.136 68.072,72.136 68.326,72.136 68.58,72.136 67.564,72.39 67.818,72.39 68.072,72.39 68.326,72.39 68.58,72.39 67.564,72.644 67.818,72.644 68.072,72.644 68.326,72.644 68.58,72.644 67.564,72.898 67.818,72.898 68.072,72.898 68.326,72.898 68.58,72.898 67.564,73.152 67.818,73.152 68.072,73.152 68.326,73.152 68.58,73.152 67.564,73.406 67.818,73.406 68.072,73.406 68.326,73.406 68.58,73.406 67.564,73.66 67.818,73.66 68.072,73.66 68.326,73.66 67.056,76.2 67.31,76.2 66.294,76.454 66.548,76.454 66.802,76.454 67.056,76.454 67.31,76.454 66.294,76.708 66.548,76.708 66.802,76.708 67.056,76.708 67.31,76.708 66.294,76.962 66.548,76.962 66.802,76.962 67.056,76.962 67.31,76.962 66.294,77.216 66.548,77.216 66.802,77.216 67.056,77.216 67.31,77.216 66.294,77.47 66.548,77.47 66.802,77.47 67.056,77.47 67.31,77.47 66.294,77.724 66.548,77.724 66.802,77.724 67.056,77.724 67.31,77.724
  other v3: 68.453,66.167 67.564,70.358 67.818,70.358 68.072,70.358 68.326,70.358 68.58,70.358 67.564,70.612 67.818,70.612 68.072,70.612 68.326,70.612 68.58,70.612 67.564,70.866 67.818,70.866 68.072,70.866 68.326,70.866 68.58,70.866 67.564,71.12 67.818,71.12 68.072,71.12 68.326,71.12 68.58,71.12 67.564,71.374 67.818,71.374 68.072,71.374 68.326,71.374 68.58,71.374 67.564,71.628 67.818,71.628 68.072,71.628 68.326,71.628 68.58,71.628 67.564,71.882 67.818,71.882 68.072,71.882 68.326,71.882 68.58,71.882 67.564,72.136 67.818,72.136 68.072,72.136 68.326,72.136 68.58,72.136 67.564,72.39 67.818,72.39 68.072,72.39 68.326,72.39 68.58,72.39 67.564,72.644 67.818,72.644 68.072,72.644 68.326,72.644 68.58,72.644 67.564,72.898 67.818,72.898 68.072,72.898 68.326,72.898 68.58,72.898 67.564,73.152 67.818,73.152 68.072,73.152 68.326,73.152 68.58,73.152 67.564,73.406 67.818,73.406 68.072,73.406 68.326,73.406 68.58,73.406 67.564,73.66 67.818,73.66 68.072,73.66 68.326,73.66 67.056,76.2 67.31,76.2 66.294,76.454 66.548,76.454 66.802,76.454 67.056,76.454 67.31,76.454 66.294,76.708 66.548,76.708 66.802,76.708 67.056,76.708 67.31,76.708 66.294,76.962 66.548,76.962 66.802,76.962 67.056,76.962 67.31,76.962 66.294,77.216 66.548,77.216 66.802,77.216 67.056,77.216 67.31,77.216 66.294,77.47 66.548,77.47 66.802,77.47 67.056,77.47 67.31,77.47 66.294,77.724 66.548,77.724 66.802,77.724 67.056,77.724 67.31,77.724
BOOT0: R19.2 U22.A10 | length 0.9
  Top Layer w0.1: U22.A10@91.364,89.947 91.364,90.012 R19.2@91.984,90.633
CAL: U1.34 U22.N6 | length 7.7
  Top Layer w0.1: v1(84.924,85.764) 84.98,85.764 87.011,83.732 87.011,83.202 U1.34@86.931,83.121
  L2 w0.1: v1(84.924,85.764) 84.924,85.935 84.947,85.958 84.947,86.188 84.924,86.211 84.924,87.323 85.911,88.31 86.212,88.31 v1(86.838,87.684)
ENABLE: U1.33 U22.M6 | length 9.6
  Top Layer w0.1: v1(84.67,86.073) 85.055,86.073 85.129,85.999 85.241,85.999 85.399,85.84 85.399,85.73 85.94,85.189 87.238,83.891 87.238,83.578 87.395,83.421 87.395,82.874 87.393,82.876 U1.33@87.063,82.546
  L2 w0.1: v1(84.67,86.073) 84.67,87.39 85.372,88.092 85.817,88.537 86.551,88.537 v1(87.121,87.967)